# Altium PCB буектополгия.PcbDoc (continued)
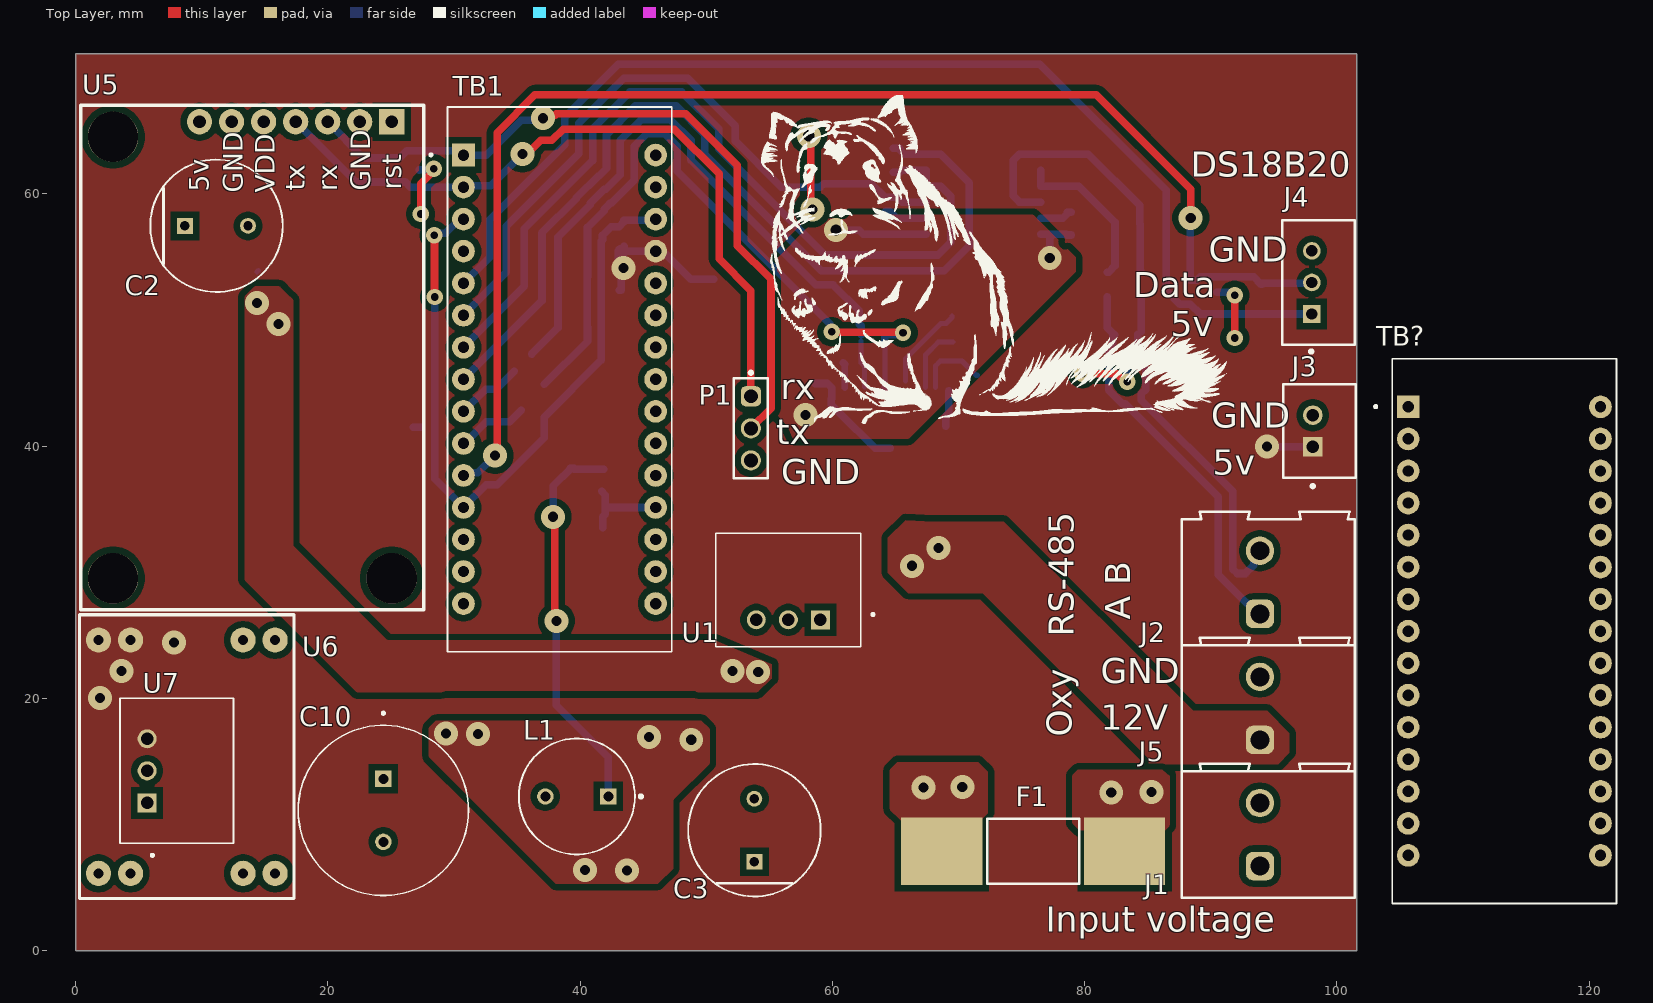
[diagram p0: Top Layer view]
## Part data (continued)
D3 D4: library part CMP-07401-000026-1, "TVS DIODE 15V 24.4V SMA", Breakdown Voltage=16.7V, Clamping Voltage=24.4V, Manufacturer="Bourns Inc.", Manufacturer Part Number=SMAJ15A, Max Junction Temp=+150°C, Package=SMA, Peak Pulse Current=16.4A, Peak Pulse Power=400W, Reverse Standoff Voltage=15V, Temperature="-55°C to +150°C", Temperature Range Low=-55°C, Automotive=No, Category=Diode, ComponentLink2Description=Datasheet, ComponentLink2URL=https://www.bourns.com/docs/Product-Datasheets/SMAJ.pdf, Device Class L1="Circuit Protection", Device Class L2="TVS Diodes", Device Class L3=unset, Digikey Description="TVS DIODE 15V 24.4V SMA", Direction=Unidirectional, Height=2.29mm, Lead Free=Yes, Mouser Description="Bourns Smaj15a / Diode Tvs 15v 400w Uni 5% Smd Bourns", Number of Channels=1, Octopart=https://octopart.com/smaj15a-bourns-12809353, RoHS=TRUE, Temperature Range High=+150°C
F1: library part CMP-2000-05620-1, "Time-Lag Type Cartridge Fuse, 1 A, 0.00386 Ohm, 250 V, -55 to 125 degC, 2-Pin SMD, RoHS, Bulk d5*20", Current Rating=1A, Manufacturer=Littelfuse, Operating Temp Range=-55to+125°C, Package Description="2-Pin Surface Mount Device, Body 20 x 5.15 mm", Package Reference=0215-20X5, Working Voltage-Max=250V, Datasheet URL=http://www.littelfuse.com/~/media/electronics/datasheets/fuses/littelfuse_fuse_215_datasheet.pdf.pdf, Datasheet Version=05/2016, Manufacturer URL=http://www.littelfuse.com/, Mounting Technology=SurfaceMount, Response Characteristic=TimeLag, Size=5x20mm
J1 J2 J5: library part CMP-1502-02524-2, Color=Green, Current=10A, Max Operating Temperature=105°C, Min Operating Temperature=-40°C, Voltage=300V, Connector Type="PCB, Terminal Block", Contact Material=Brass, Contact Plating=Tin, Height=15.5mm, Housing Material=Nylon, Lead Pitch=5mm, Length=13.7mm, Mount="Through Hole", NexarPartId=8917714, Number of Contacts=2, Number of Levels=1, Number of Pins=2, Number of Positions Per Level=2, Packaging=Box, Pitch=5.0038mm, Plating="Brass, Steel", REACH SVHC=Unknown, RoHS=Compliant, Stripping Length=-7mm, Termination=Screw, Width=10mm, Wire Gauge (Max)=24AWG, Wire Gauge (Min)=12AWG, Wire/Cable Gauge=12AWG
J3: library part CMP-2000-05888-3, "CONN HEADER VERT 2POS 2.5MM", Color=Natural, Contact Resistance=20mR, Current Rating=3A, Housing Color=White, Insulation Resistance=1GR, Max Operating Temperature=85°C, Max Voltage Rating (AC)=250V, Min Operating Temperature=-25°C, Connector Type="Male Pin", Contact Material=Brass, Contact Plating=Tin, Contact Type="Male Pin", Depth=5.75mm, Fastening Type=Detent, Housing Material=Polyamide, Lead Free="Lead Free", Lead Pitch=2.5mm, Length=7.4mm, Max Current Rating=3A, Max Voltage Rating (DC)=250V, Mount="Through Hole", Number of Contacts=2, Number of Positions=2, Number of Rows=1, Orientation=Straight, Packaging=Bulk, Pitch=2.5mm, REACH SVHC="No SVHC", Series=XH, Termination=Solder, Voltage Rating=250V, Voltage Rating (AC)=250V, Wire/Cable Gauge=22AWG
J4: library part CMP-17439-000014-3, "CONN HEADER VERT 3POS 2.5MM", Color=Natural, Contact Resistance=20mR, Current Rating=3A, Flammability Rating="UL94 V-0", Housing Color=White, Insulation Resistance=1GR, Max Operating Temperature=85°C, Max Voltage Rating (AC)=250V, Min Operating Temperature=-25°C, Connector Type=Header, Contact Finish - Mating=TIN, Contact Material=Brass, Contact Plating=Tin, Contact Shape=Square, Contact Type="Male Pin", Depth=5.75mm, Fastening Type=Detent, Gender=Male, Housing Material=Polyamide, Insulation Color=Natural, Insulation Material=Nylon, Lead Free="Lead Free", Lead Pitch=2.5mm, Length=9.9mm, Max Current Rating=3A, Max Voltage Rating (DC)=250V, Mount="Through Hole", Number of Contacts=3, Number of Positions=3, Number of Rows=1, Orientation=Straight, Packaging=Bulk, Pitch=2.5mm, REACH SVHC="No SVHC", Series=XH, Termination=Solder, Voltage Rating=250V, Voltage Rating (AC)=250V, Wire/Cable Gauge=22AWG
L1: library part CMP-07248-000080-1, "FIXED IND 22UH 1.9A 90 MOHM TH", Case/Package=Radial, Current Rating=1A, DC Resistance (DCR)=280mR, Inductance=22uH, Inductance Tolerance=10%, Max Operating Temperature=105°C, Min Operating Temperature=-20°C, Package Quantity=200, Resistor Type=Wirewound, Self Resonant Frequency=3.5MHz, Test Frequency=796kHz, Core Material=Ferrite, DC Current=1A, Diameter=8.7mm, Height=12mm, Height - Seated (Max)=0.512inch, Lead Diameter=0.65mm, Lead Pitch=5mm, Lead/Base Style=Radial, Length=12mm, Material=Steel, Max DC Current=1A, Military Standard=Not, Mount="Through Hole", Orientation=Vertical, Packaging=Bulk, Q Factor=30, Radiation Hardening=No, REACH SVHC="No SVHC", Resistance=280mR, RMS Current (Irms)=1A, Series=RLB, Shielding=Unshielded, Termination=Radial, TOLERANCE=10%
P1: library part CMP-1502-01062-3, Color=Black, Contact Resistance=20mΩ, Current Rating=3A, Max Operating Temperature=105°C, Min Operating Temperature=-40°C, Operating Supply Voltage=250V, Connector Type="Male Pin", Contact Material=Copper, Contact Mating Length=5.9944mm, Contact Plating=Gold, Gender=Male, Height=8.94mm, Lead Free="Lead Free", Lead Pitch=2.54mm, Mount="Through Hole", NexarPartId=32855521, Number of Contacts=3, Number of Pins=3, Number of Positions=3, Number of Rows=1, Orientation=Vertical, Packaging=Bulk, Pitch=2.54mm, REACH SVHC=Unknown, RoHS=Compliant, Termination=Solder, Voltage Rating=250V
R1 R2: library part CMP-2001-04375-5, "Chip Resistor, 12 Ohm, +/- 1%, 0.125 W, -55 to 155 degC, 0805 (2012 Metric), RoHS, Tape and Reel", Manufacturer=Panasonic, Max Operating Temperature="155 degC", Min Operating Temperature="-55 degC", Package Quantity=1, Resistance="12 Ом", Voltage Rating="150 V", ComponentLink1Description="Manufacturer URL", ComponentLink1URL=http://www.panasonic.com/, ComponentLink2Description=Datasheet, ComponentLink2URL=http://industrial.panasonic.com/cdbs/www-data/pdf/RDA0000/AOA0000C86.pdf, DatasheetVersion=04/2015, Height="0.6 mm", Length="2 mm", Mount="Surface Mount", Mounting Technology="Surface Mount", PackageDescription="2-Pin Surface Mount Device, Body 2 x 1.25 mm", PackageReference=0805, Packaging="Cut Tape", REACH SVHC=Yes
R3: library part CMP-2001-04375-5, "Chip Resistor, 120Ohm, +/- 1%, 0.125 W, -55 to 155 degC, 0805 (2012 Metric), RoHS, Tape and Reel", Manufacturer=Panasonic, Max Operating Temperature="155 degC", Min Operating Temperature="-55 degC", Package Quantity=1, Resistance="120 Ом", Voltage Rating="150 V", ComponentLink1Description="Manufacturer URL", ComponentLink1URL=http://www.panasonic.com/, ComponentLink2Description=Datasheet, ComponentLink2URL=http://industrial.panasonic.com/cdbs/www-data/pdf/RDA0000/AOA0000C86.pdf, DatasheetVersion=04/2015, Height="0.6 mm", Length="2 mm", Mount="Surface Mount", Mounting Technology="Surface Mount", PackageDescription="2-Pin Surface Mount Device, Body 2 x 1.25 mm", PackageReference=0805, Packaging="Cut Tape", REACH SVHC=Yes
R4 R5: library part CMP-2001-04375-5, "Chip Resistor, 12 Ohm, +/- 1%, 0.125 W, -55 to 155 degC, 0805 (2012 Metric), RoHS, Tape and Reel", Manufacturer=Panasonic, Max Operating Temperature="155 degC", Min Operating Temperature="-55 degC", Package Quantity=1, Resistance="1 кОм", Voltage Rating="150 V", ComponentLink1Description="Manufacturer URL", ComponentLink1URL=http://www.panasonic.com/, ComponentLink2Description=Datasheet, ComponentLink2URL=http://industrial.panasonic.com/cdbs/www-data/pdf/RDA0000/AOA0000C86.pdf, DatasheetVersion=04/2015, Height="0.6 mm", Length="2 mm", Mount="Surface Mount", Mounting Technology="Surface Mount", PackageDescription="2-Pin Surface Mount Device, Body 2 x 1.25 mm", PackageReference=0805, Packaging="Cut Tape", REACH SVHC=Yes
R6 R8 R9 R10 R11: library part CMP-2001-04375-5, "Chip Resistor, 12 Ohm, +/- 1%, 0.125 W, -55 to 155 degC, 0805 (2012 Metric), RoHS, Tape and Reel", Manufacturer=Panasonic, Max Operating Temperature="155 degC", Min Operating Temperature="-55 degC", Package Quantity=1, Resistance="10 кОм", Voltage Rating="150 V", ComponentLink1Description="Manufacturer URL", ComponentLink1URL=http://www.panasonic.com/, ComponentLink2Description=Datasheet, ComponentLink2URL=http://industrial.panasonic.com/cdbs/www-data/pdf/RDA0000/AOA0000C86.pdf, DatasheetVersion=04/2015, Height="0.6 mm", Length="2 mm", Mount="Surface Mount", Mounting Technology="Surface Mount", PackageDescription="2-Pin Surface Mount Device, Body 2 x 1.25 mm", PackageReference=0805, Packaging="Cut Tape", REACH SVHC=Yes
R7: library part CMP-2001-04375-5, "Chip Resistor, 12 Ohm, +/- 1%, 0.125 W, -55 to 155 degC, 0805 (2012 Metric), RoHS, Tape and Reel", Manufacturer=Panasonic, Max Operating Temperature="155 degC", Min Operating Temperature="-55 degC", Package Quantity=1, Resistance="18 кОм", Voltage Rating="150 V", ComponentLink1Description="Manufacturer URL", ComponentLink1URL=http://www.panasonic.com/, ComponentLink2Description=Datasheet, ComponentLink2URL=http://industrial.panasonic.com/cdbs/www-data/pdf/RDA0000/AOA0000C86.pdf, DatasheetVersion=04/2015, Height="0.6 mm", Length="2 mm", Mount="Surface Mount", Mounting Technology="Surface Mount", PackageDescription="2-Pin Surface Mount Device, Body 2 x 1.25 mm", PackageReference=0805, Packaging="Cut Tape", REACH SVHC=Yes
R12: library part CMP-2001-04375-5, "Chip Resistor, 12 Ohm, +/- 1%, 0.125 W, -55 to 155 degC, 0805 (2012 Metric), RoHS, Tape and Reel", Manufacturer=Panasonic, Max Operating Temperature="155 degC", Min Operating Temperature="-55 degC", Package Quantity=1, Resistance="4.7 кОм", Voltage Rating="150 V", ComponentLink1Description="Manufacturer URL", ComponentLink1URL=http://www.panasonic.com/, ComponentLink2Description=Datasheet, ComponentLink2URL=http://industrial.panasonic.com/cdbs/www-data/pdf/RDA0000/AOA0000C86.pdf, DatasheetVersion=04/2015, Height="0.6 mm", Length="2 mm", Mount="Surface Mount", Mounting Technology="Surface Mount", PackageDescription="2-Pin Surface Mount Device, Body 2 x 1.25 mm", PackageReference=0805, Packaging="Cut Tape", REACH SVHC=Yes
TB1: "Small, complete, and breadboard-friendly board based on the ATmega328 (Arduino Nano 3.x)", Package="Non-Standard Arduino", Availability="Not in stock", Check_prices=https://www.snapeda.com/parts/Arduino%20Nano/Arduino/view-part/?ref=eda, MF=Arduino, MP="Arduino Nano", PRICE=None, SnapEDA_Link=https://www.snapeda.com/parts/Arduino%20Nano/Arduino/view-part/?ref=snap
TB?: "ардуинка на стойках", Package="Non-Standard Arduino", Availability="Not in stock", Check_prices=https://www.snapeda.com/parts/Arduino%20Nano/Arduino/view-part/?ref=eda, MF=Arduino, MP="Arduino Nano", Part Number=arduino_nano, PRICE=None, SnapEDA_Link=https://www.snapeda.com/parts/Arduino%20Nano/Arduino/view-part/?ref=snap
U1 U7: Package=None, Availability=Unavailable, MP=P7805-500, PRICE=None
U2: library part CMP-2000-07553-1, "TVS Array - Asymmetrical Data Line Protector, 600 W, 7.5 V, -55 to 150 degC, 3-Pin SOT23, RoHS, Tape and Reel", Capacitance=75pF, Case\/Package=SOT-23, Clamping Voltage=17V, Current=20uA, Manufacturer="Protek Devices", Max Operating Temperature=150degC, Min Breakdown Voltage=7.5V, Min Operating Temperature=-55degC, Package Description="3-Pin Small Outline Transistor, Body 2.92 x 1.3 mm, Pitch 0.94 mm", Package Reference=SOT23-3, Power Dissipation=600W, Voltage=12V, Working Voltage=7V, Datasheet URL=www.protekdevices.com/xyz/documents/datasheets/psm712.pdf, Datasheet Version=10/2013, Depth=1.4mm, Direction=Bidirectional, Element Configuration=Dual, Lead Free=LeadFree, Leakage Current=20uA, Length=3.04mm, Manufacturer URL=http://www.protekdevices.com/, Mounting Technology=SurfaceMount, Number of Pins=3, Packaging=TapeandReel, Radiation Hardening=No, RoHSCompliant=True
U3: library part CMP-09096-000197-1, "DGTL ISO 5KV RS422/RS485 16SOIC", Case/Package=SOIC, Isolated Power=No, Isolation Voltage=5kV, Max Operating Temperature=85°C, Max Supply Voltage=5.5V, Min Dual Supply Voltage=3V, Min Operating Temperature=-40°C, Nominal Supply Current=2mA, Package Quantity=400, Channel Type=Unidirectional, Data Rate=500Kbps, Height=2.35mm, Lead Free="Contains Lead", Length=10.5mm, Logic Function=Transceiver, Min Supply Voltage=3V, Mount="Surface Mount", Number of Channels=3, Number of Pins=16, Number of Receivers=1, Number of Transceivers=1, Number of Transmitters=1, Operating Supply Current=2mA, Operating Supply Voltage=3V, Packaging="Tape and Reel", RoHS Compliant=Yes, Series=-, Simplex/Duplex="Full Duplex", Supply Current=2mA, Width=7.6mm
U4: "Драйвер питания, VIPower M0-5, High-Side, Current Sense [PowerSSO-24]", Case/Package=SSOP, High Level Output Current=-32mA, Low Level Output Current=32mA, Max Operating Temperature=85°C, Max Supply Voltage=5.5V, Min Operating Temperature=-40°C, Min Supply Voltage=1.65V, Package Quantity=1, Quiescent Current=15uA, Contact Plating=Gold, Data Rate=500Mbps, Direction=Bidirectional, Height=1.95mm, Lead Free="Lead Free", Length=8.2mm, Logic Function=Translator, Mount="Surface Mount", Number of Bits=8, Number of Channels=8, Number of Elements=1, Number of Inputs=8, Number Of Outputs=8, Number of Pins=24, Output Current=32mA, Packaging="Tape and Reel", Polarity=Non-Inverting, Propagation Delay=32.2ns, Radiation Hardening=No, REACH SVHC="No SVHC", RoHS Compliant=Yes, Turn-On Delay Time=4.2ns, Weight=0.006081oz, Width=5.3mm

## Via types
v1: diameter 1.9, hole 0.8, Top Layer to Bottom Layer, 30 vias
v2: diameter 1.3, hole 0.6, Top Layer to Bottom Layer, 10 vias
v3: diameter 1.9, hole 0.9, Top Layer to Bottom Layer, 2 vias

## Nets (pads, with @x,y where several pads share a name; then routed paths per layer and width w, separated by ;. In a path a pad name is that pad's centre, name@x,y a point inside that pad or via, vN(x,y) a via of type N, cw(c..) or ccw(c..) an arc to the next point about the centre after c; other vN are vias at no path point)
+5: C14.2 C15.1 D9.1 D9.2 J3.1 R9.2 TB1.27 U6.3 U7.3 | length 15.8
  Bottom Layer w0.6: C15.1 43.273,52.335 43.273,53.933 v1(43.442,54.102) ; R9.2 43.231,55.565 43.231,55.448 TB1.27 46.229,55.219 46.813,55.219 48.793,53.238 D9.2@50.607,53.238 ; v1(94.469,39.967) 94.493,39.943 J3.1
  Bottom Layer w1: v1@43.231,54.102 R9.2@43.231,55.448
  other v1: 1.956,20.015 3.658,22.174 7.798,24.409
"+5 sw": C1.2 C2.2 C4.1 C5.1 C7.1 C8.1 C11.1 D1.1 D1.2 U1.3 U3.1 U3.16 U5.7 | length 11.9
  Bottom Layer w0.4: 14.394,53.815 14.503,53.924
  Bottom Layer w0.6: v3(60.3,57.125) 60.33,57.094 62.15,57.094 62.45,56.794 U3.1 ; U3.16 U3.16@77.534,56.794 ; v1(77.241,54.915) 77.241,56.502 U3.16@77.534,56.794 ; C4.1 78.618,56.733 78.556,56.794 U3.16@77.534,56.794
  other v1: 54.127,22.098 52.095,22.149 57.89,42.445 16.104,49.682 14.376,51.333
+12: C3.2 C6.1 C12.1 C13.1 D2.1 F1.2 L1.1 R7.2 U4.1 U4.12 U4.25 | length 42.9
  Top Layer w0.6: v1(37.871,34.392) 37.998,34.265 37.998,26.264 v1(38.125,26.137)
  Bottom Layer w0.6: v1(37.871,34.392) 37.871,36.84 38.586,37.555 38.612,37.555 39.218,38.16 39.218,38.255 C13.1 ; v1(38.125,26.137) 38.118,26.129 38.118,19.464 42.251,15.331 L1.1 ; C13.1@39.543,38.162 R7.2@41.859,38.162 ; C12.1 59.593,44.958 59.945,44.607 59.945,43.764 59.919,43.738 59.919,43.291 60.558,42.651 60.569,42.651 63.392,39.827 U4.25 ; 68.986,41.554 68.986,42.342 69.24,42.595 69.24,44.398
  other v1: 67.234,12.929 70.307,12.979
"+12 sw": D3.1 J5.1 U4.13 U4.14 U4.15 U4.16 U4.17 U4.18
  other v1: 66.319,30.505 68.428,31.928
ds_pwr: D10.1 J4.1 R12.2 TB1.5 | length 90.3
  Bottom Layer w0.6: TB1.5 32.826,54.975 32.826,57.922 38.799,63.895 38.799,64.642 38.799,66.051 43.031,70.282 76.454,70.282 86.47,60.266 86.47,52.341 87.564,51.247 D10.1 89.172,50.47 J4.1
GND: C1.1 C2.1 C3.1 C4.2 C5.2 C6.2 C7.2 C8.2 C9.2 C10.N C11.2 C12.2 C13.2 C14.1 C15.2 D1.3 D2.2 D3.2 D4.2 D5.3 D6.3 D7.3 D8.3 D9.3 D10.3 J1.1 J3.2 J4.3 J5.2 P1.3 R4.1 R5.1 R6.1 R8.1 TB1.4 TB1.29 U1.2 U2.3 U3.2 U3.8 U3.9 U3.15 U4.2 U5.2 U5.6 U6.2 U6.4 U7.2 | length 30.4
  Top Layer w0.6: v2(27.381,58.395) 27.381,60.802 28.397,61.818 v2(28.397,61.978) ; v3(58.141,64.592) 58.286,64.447 58.286,58.915 v1(58.432,58.769) ; v2(79.832,45.745) 82.562,45.745 83.197,45.11 v2(83.386,45.11) ; v2(91.897,48.565) v2(91.897,51.966)
  Bottom Layer w0.5: U4.2 60.992,46.501
  Bottom Layer w0.6: 26.794,41.478 27.373,41.478 ; D5.3 27.262,61.898 28.317,61.898 v2(28.397,61.978) ; 60.884,46.609 60.992,46.501 ; C11.2 64.562,58.609 65.106,58.064 U3.2 ; U3.15 78.267,58.064 78.618,58.416 78.618,58.533 C4.2 ; U2.3 83.336,46.804 83.336,45.16 v2(83.386,45.11) ; D10.3 90.485,52.183 91.491,52.183 91.708,51.966 v2(91.897,51.966)
  other v1: 43.713,6.35 40.386,6.401 48.819,16.713 45.466,16.942 31.902,17.17 29.362,17.196
NetC9_1: C9.1 C10.P L1.2 U6.1 U7.1
NetD4_1: D4.1 U1.1 U4.19 U4.20 U4.21 U4.22 U4.23 U4.24
NetD6_2: D6.2 TB1.6 U3.3 | length 53.1
  Bottom Layer w0.6: TB1.6 34.167,53.776 34.167,57.434 39.899,63.166 39.899,64.187 39.899,65.595 43.473,69.168 48.526,69.168 52.291,65.403 52.291,64.187 55.959,60.519 59.025,60.519 59.314,60.808 60.122,60.808 63.094,60.808 64.192,59.709 65.193,59.709 65.558,59.343 67.447,59.343 U3.3
NetD7_1: D7.1 TB1.8 U3.6 | length 73.2
  Bottom Layer w0.6: TB1.8 36.982,51.511 36.982,56.896 39.71,59.623 39.71,59.687 41.467,61.444 41.531,61.444 42.099,62.013 42.099,62.185 42.099,63.275 42.099,64.684 44.384,66.968 47.615,66.968 49.899,64.684 49.899,63.128 59.129,53.899 68.885,53.899 70.866,55.88 70.866,60.865 68.595,63.135 67.465,63.135 U3.6 65.711,63.144 65.36,63.496 65.36,63.598 65.346,63.612 D7.1
NetD7_2: D7.2 TB1.7 U3.4 U3.5 | length 67.7
  Bottom Layer w0.6: TB1.7 35.585,52.654 35.585,57.226 40.999,62.64 40.999,63.731 40.999,65.139 43.928,68.068 48.07,68.068 50.999,65.139 50.999,63.584 59.44,55.143 68.376,55.143 69.404,56.172 69.404,59.786 68.595,60.595 67.465,60.595 U3.4 U3.5 65.509,61.874 65.346,61.712 D7.2
NetD8_1: D8.1 R11.2 U4.6 | length 57.3
  Top Layer w0.6: v2(59.969,49.047) 60.008,49.009 65.57,49.009 v2(65.608,48.971)
  Bottom Layer w0.4: U4.6@64.181,44.638 D8.1@64.181,48.303
  Bottom Layer w0.6: R11.2 40.592,48.314 40.592,49.434 40.579,49.448 40.579,53.422 40.592,53.436 40.592,57.35 41.91,58.668 41.91,58.776 42.378,59.244 42.487,59.244 44.299,61.057 44.299,61.273 44.299,62.364 44.299,63.772 45.295,64.768 46.704,64.768 47.699,63.772 47.699,61.8 59.835,49.664 59.835,49.181 v2(59.969,49.047) ; U4.6@64.181,44.638 U4.6 ; D8.1@64.181,48.303 D8.1 64.171,48.817 64.184,48.83 65.278,48.83 65.419,48.971 v2(65.608,48.971)
NetD8_2: D8.2 R10.2 U4.4 | length 52.4
  Bottom Layer w0.4: D8.2 62.271,46.597 62.54,46.328 U4.4@62.54,44.68
  Bottom Layer w0.6: R10.2 38.252,49.378 38.252,56.566 40.81,59.123 40.81,59.231 41.923,60.344 42.031,60.344 43.199,61.513 43.199,61.729 43.199,62.82 43.199,64.228 44.84,65.868 47.159,65.868 48.799,64.228 48.799,62.672 58.673,52.799 60.056,52.799 62.134,50.72 62.134,49.676 62.284,49.526 D8.2@62.284,48.83
NetD10_2: D10.2 J4.2 R12.1 TB1.11 | length 105.2
  Top Layer w0.6: v1(33.274,39.243) 33.426,39.395 33.426,64.843 36.427,67.843 80.937,67.843 88.417,60.363 v1(88.417,58.09)
  Bottom Layer w0.6: TB1.11 30.962,37.871 31.902,37.871 v1(33.274,39.243) ; D10.2 88.898,53.147 89.167,53.416 93.407,53.416 93.982,52.842 R12.1 94.146,52.906 97.955,52.906 J4.2 ; D10.2@88.395,53.391 88.395,58.067 v1(88.417,58.09)
NetF1_1: F1.1 J1.2
  other v1: 82.118,12.522 85.293,12.573
NetJ2_1: J2.1 R1.1 U2.1 | length 30.8
  Bottom Layer w0.6: R1.1 81.813,49.387 82.375,48.826 82.319,48.826 82.227,48.734 82.227,47.765 81.915,47.453 81.915,44.425 82.979,43.36 83.227,43.36 90.602,35.986 90.602,29.794 92.873,27.523 92.939,27.523 93.764,26.698 J2.1
NetJ2_2: J2.2 R2.1 U2.2 | length 28.2
  Bottom Layer w0.6: U2.2 84.227,47.885 84.507,47.605 84.507,46.467 84.836,46.137 84.836,44.476 84.507,44.146 84.507,43.636 91.745,36.398 91.745,30.247 92.096,29.896 92.761,29.896 93.403,30.538 93.403,30.748 93.906,31.251 J2.2 ; U2.2@84.48,49.077 R2.1
NetR1_2: R1.2 R3.2 U3.12 U3.13 | length 12.6
  Bottom Layer w0.6: U3.12@76.512,61.865 U3.13 79.541,60.604 82.413,57.733 R3.2 82.413,54.281 81.913,53.782 R1.2
NetR2_2: R2.2 R3.1 U3.11 U3.14 | length 22.4
  Bottom Layer w0.6: U3.14 76.503,59.343 74.845,59.343 74.346,59.842 74.346,62.662 74.819,63.135 76.503,63.135 U3.11 80.289,63.144 84.363,59.071 R3.1 84.422,57.574 84.422,53.866 R2.2
NetR4_2: R4.2 U4.8 | length 6.9
  Bottom Layer w0.4: U4.8@65.792,45.161 65.792,46.906 68.603,49.717 69.019,49.717 69.494,50.192 R4.2
NetR5_2: R5.2 U4.10 | length 5.2
  Bottom Layer w0.4: U4.10 67.392,47.225 68.402,48.235 R5.2
NetR6_2: R6.2 U4.11 | length 5.7
  Bottom Layer w0.4: U4.11 68.192,46.374 68.555,46.736 70.278,46.736 71.401,45.613 R6.2
NetR7_1: R7.1 R8.2 TB1.19 | length 7.1
  Bottom Layer w0.6: R7.1@41.707,36.414 42.012,36.109 42.012,35.128 ; R8.2@41.808,33.528 41.808,34.389 42.012,34.592 42.012,35.128 ; TB1.19 42.012,35.128
NetR10_1: R10.1 TB1.9 | length 5.3
  Bottom Layer w0.6: TB1.9 32.512,44.501 33.376,44.501 R10.1
NetR11_1: R11.1 TB1.10 | length 5.7
  Bottom Layer w0.6: TB1.10 30.851,40.208 32.553,41.91 34.417,41.91 35.353,42.846
reset: R9.1 TB1.3 TB1.12 TB1.28 | length 56.3
  Top Layer w0.6: v2(28.448,56.718) 28.461,56.706 28.461,51.829 v2(28.473,51.816)
  Bottom Layer w0.6: v2(28.473,51.816) 28.473,37.414 TB1.12 32.569,36.938 33.444,36.938 37.16,40.654 37.16,42.291 41.692,46.823 41.692,49.89 41.679,49.904 41.679,52.966 41.692,52.98 41.692,56.272 41.783,56.363 41.783,56.699 42.478,57.394 43.11,57.394 R9.1 ; v2@28.825,56.871 29.331,56.871 30.449,57.988 TB1.3 ; R9.1@43.485,57.904 45.915,57.904 TB1.28
rx: D5.1 P1.1 TB1.2 U5.4 | length 57.8
  Top Layer w0.6: v1(35.433,63.144) 35.785,63.144 36.881,64.241 37.774,64.241 38.659,65.126 47.473,65.126 51.029,61.57 51.029,54.839 53.543,52.324 P1.1
  Bottom Layer w0.6: U5.4 17.452,65.705 22.223,60.935 D5.1 26.131,60.935 26.538,60.528 TB1.2 30.854,60.623 32.911,60.623 v1(35.433,63.144)
tx: D5.2 P1.2 TB1.1 U5.3 | length 59.7
  Top Layer w0.6: v1(37.049,65.991) 37.298,66.24 38.031,66.24 38.136,66.345 48.387,66.345 52.469,62.263 52.469,55.888 55.143,53.213 55.143,43.002 P1.2
  Bottom Layer w0.6: U5.3 19.992,65.705 22.863,62.835 25.674,62.835 26.268,63.428 30.399,63.428 TB1.1 32.573,63.068 35.327,65.822 36.881,65.822 v1(37.049,65.991)
pads on no net: D6.1 TB1.13 TB1.14 TB1.15 TB1.16 TB1.17 TB1.18 TB1.20 TB1.21 TB1.22 TB1.23 TB1.24 TB1.25 TB1.26 TB1.30 TB?.1 TB?.2 TB?.3 TB?.4 TB?.5 TB?.6 TB?.7 TB?.8 TB?.9 TB?.10 TB?.11 TB?.12 TB?.13 TB?.14 TB?.15 TB?.16 TB?.17 TB?.18 TB?.19 TB?.20 TB?.21 TB?.22 TB?.23 TB?.24 TB?.25 TB?.26 TB?.27 TB?.28 TB?.29 TB?.30 U3.7 U3.10 U4.3 U4.5 U4.7 U4.9 U5.1 U5.5 U5.8

## Polygon pours and split planes (outlines as drawn)
+5 on Bottom Layer "+5_L02_P022" (solid, pour order 22): 4.132,25.951 4.099,25.984 0.711,25.984 0,25.273 0,20.841 3.12,17.354
+5 on Bottom Layer "+5_L02_P021" (solid, pour order 21): 5.912,16.199 8.357,18.644 8.357,25.07 7.476,25.951 4.132,25.951 3.2,25.019 3.2,17.221 4.317,16.104
GND on Bottom Layer "GND_L02_P002" (solid, pour order 2): 0,0 0,71.12 101.6,71.12 101.6,0
"+5 sw" on Bottom Layer "+5_SW_L02_P014" (solid, pour order 14): 54.229,27.711 54.178,27.762 52.883,27.762 51.473,25.057 50.924,22.169 51.272,21.042 51.765,20.549 54.916,20.549 55.907,21.539 55.907,23.419 55.397,24.359 55.296,26.736
"+5 sw" on Bottom Layer "+5_SW_L02_P019" (solid, pour order 19): 52.807,27.356 55.524,30.074 55.524,35.509 56.642,36.627 56.642,42.596 57.325,43.279 57.7,43.434 58.42,43.434 59.868,41.986 59.868,35.763 57.937,33.833 57.937,27.965 57.353,27.381 55.941,27.381 55.067,26.507 55.067,25.324 54.788,25.044 53.162,25.044 52.807,25.4
"+5 sw" on Bottom Layer "+5_SW_L02_P000" (solid, pour order 0): 11.049,66.015 11.328,65.735 11.328,64.211 12.929,64.211 14.021,63.119 14.859,63.119 14.859,58.75 17.196,56.413 17.196,49.2 16.434,48.438 14.148,48.438 13.411,49.174 13.411,53.696 10.668,56.439 10.668,58.496 9.957,59.207 7.899,59.207 7.899,59.614 7.899,65.9 9.398,67.031 10.389,67.031
"+12 sw" on Bottom Layer "+12_SW_L02_P016" (solid, pour order 16): 64.77,35.001 64.783,35.014 69.977,35.014 69.977,28.727 70.079,28.626 69.113,27.661 65.278,27.661 64.77,28.169 64.77,29.108
NetD4_1 on Bottom Layer "NETD4_1_L02_P013" (solid, pour order 13): 58.064,26.035 58.014,26.086 58.014,33.172 59.842,35.001 64.211,35.001 64.44,34.773 64.44,29.616 59.842,25.019
+12 on Bottom Layer "+12_L02_P012" (solid, remove dead copper, pour order 12): 65.532,14.605 69.977,19.05 69.977,32.893 69.977,37.135 69.469,37.643 62.23,37.643 61.112,38.76 61.112,41.402 61.62,41.91 74.447,41.91 77.318,39.04 77.318,16.205 70.739,9.627 70.46,9.627
NetC9_1 on Bottom Layer "NETC9_1_L02_P008" (solid, pour order 8): 37.998,12.497 37.998,7.417 28.727,7.417 25.324,10.82 14.376,10.82 7.493,3.937 0,3.937 0,11.125 1.829,12.954 8.026,12.954 10.744,15.672 34.823,15.672
+12 on Bottom Layer "+12_L02_P007" (solid, pour order 7): 71.73,13.411 70.434,14.707 44.12,14.707 41.554,14.707 41.554,7.798 44.45,7.798 45.441,6.807 48.539,6.807 50.279,8.547 57.76,8.547 59.944,6.807 71.73,6.807
NetF1_1 on Bottom Layer "NETF1_1_L02_P003" (solid, pour order 3): 96.647,14.3 96.596,14.249 81.89,14.249 80.874,13.233 80.874,10.592 82.017,9.449 96.749,9.449
+5 on Top Layer "+5_L01_P018" (solid, pour order 18): 0,0 0,71.12 101.6,71.12 101.6,0
"+5 sw" on Top Layer "+5_SW_L01_P020" (solid, pour order 20): 56.439,41.631 55.626,42.443 55.626,54.889 59.055,58.318 75.946,58.318 79.299,54.966 79.299,53.823 66.065,40.589 56.871,40.589
"+5 sw" on Top Layer "+5_SW_L01_P015" (solid, pour order 15): 55.22,22.705 55.22,21.565 55.169,21.565 54.077,20.472 22.301,20.472 13.411,29.362 13.411,51.867 14.199,52.654 16.18,52.654 17.247,51.587 17.247,32.106 24.765,24.587 50.676,24.587
"+12 sw" on Top Layer "+12_SW_L01_P017" (solid, pour order 17): 68.047,34.011 73.609,34.011 88.621,18.999 94.488,18.999 96.241,17.247 96.241,15.672 95.352,14.783 85.09,14.783 85.09,15.189 71.933,28.346 66.015,28.346 64.414,29.947 64.414,32.715 65.811,34.112
GND on Top Layer "GND_L01_P011" (solid, pour order 11): 38.075,5.283 46.177,5.283 47.371,6.477 47.371,11.913 50.267,14.808 50.267,17.577 49.632,18.212 28.575,18.212 28.016,17.653 28.016,15.342
+12 on Top Layer "+12_L01_P006" (solid, pour order 6): 65.659,10.135 65.608,10.135 64.567,11.176 64.567,14.351 65.151,14.935 71.577,14.935 72.339,14.173 72.339,10.897 71.603,10.16
NetF1_1 on Top Layer "NETF1_1_L01_P004" (solid, pour order 4): 86.741,13.868 86.741,9.906 86.385,9.55 79.578,9.55 79.045,10.084 79.045,13.894 79.502,14.351 86.131,14.351

## Silkscreen, mask and mechanical layers (free items; w line width, h text height)
Top Overlay:
  drawing of 51 lines, arcs and shapes, not listed
  text "DS18B20" at 88.413,61.336 h2
  text "GND" at 89.835,54.605 h2
  text "Data" at 83.866,51.811 h2
  text "5v" at 86.838,48.712 h2
  text "rx" at 55.901,43.709 h2
  text "GND" at 90.038,41.448 h2
  text "tx" at 55.57,40.127 h2
  text "5v" at 90.165,37.74 h2
  text "GND" at 55.951,36.952 h2
  text "A B" at 83.622,26.233 h2 r90
  text "RS-485" at 79.126,24.887 h2 r90
  text "GND" at 81.301,21.204 h2
  text "12V" at 81.301,17.496 h2
  text "Oxy" at 78.967,16.937 h2 r90
  text "Input voltage" at 76.932,1.5 h2
Mechanical 1:
  lines w0.254: -0.025,67.12 101.6,67.12 ; 0,4 101.625,4 ; 54.75,0 55.25,0 ; 0,0 101.6,0 101.6,71.12 0,71.12 0,0

## Text inside footprints (layer, text, board x,y; h text height)
U5: Top Overlay "rst" at 25.808,60.326 h1.52 r90; Top Overlay "GND" at 23.37,60.25 h1.52 r90; Top Overlay "rx" at 20.754,60.199 h1.52 r90; Top Overlay "tx" at 18.188,60.25 h1.52 r90; Top Overlay "VDD" at 15.793,60.099 h1.52 r90; Top Overlay "GND" at 13.253,60.073 h1.52 r90; Top Overlay "5v" at 10.561,60.15 h1.52 r90